# Allegro board F450_V10_220411.brd
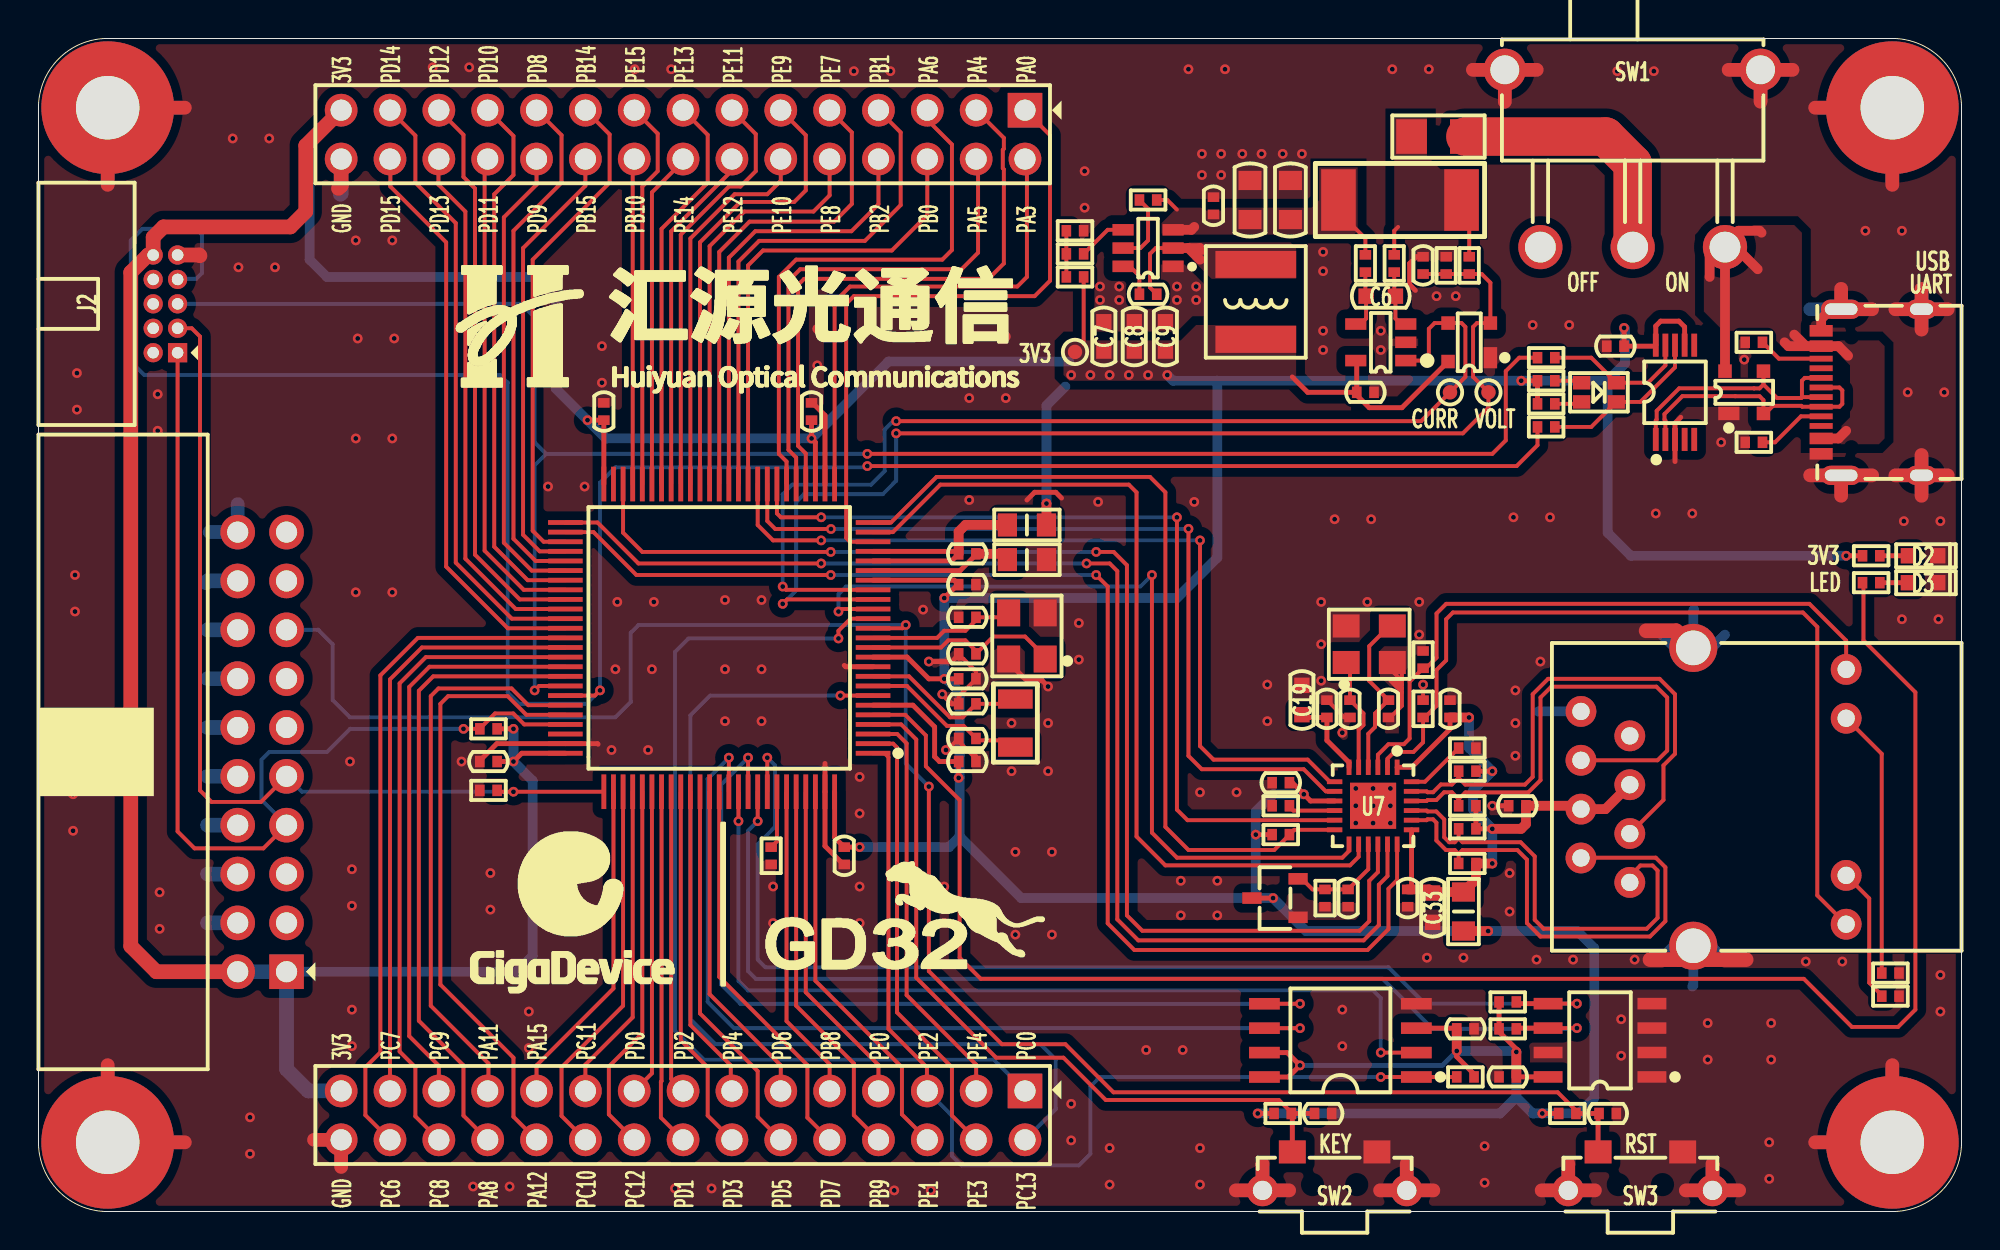
[diagram p0: board, top side]
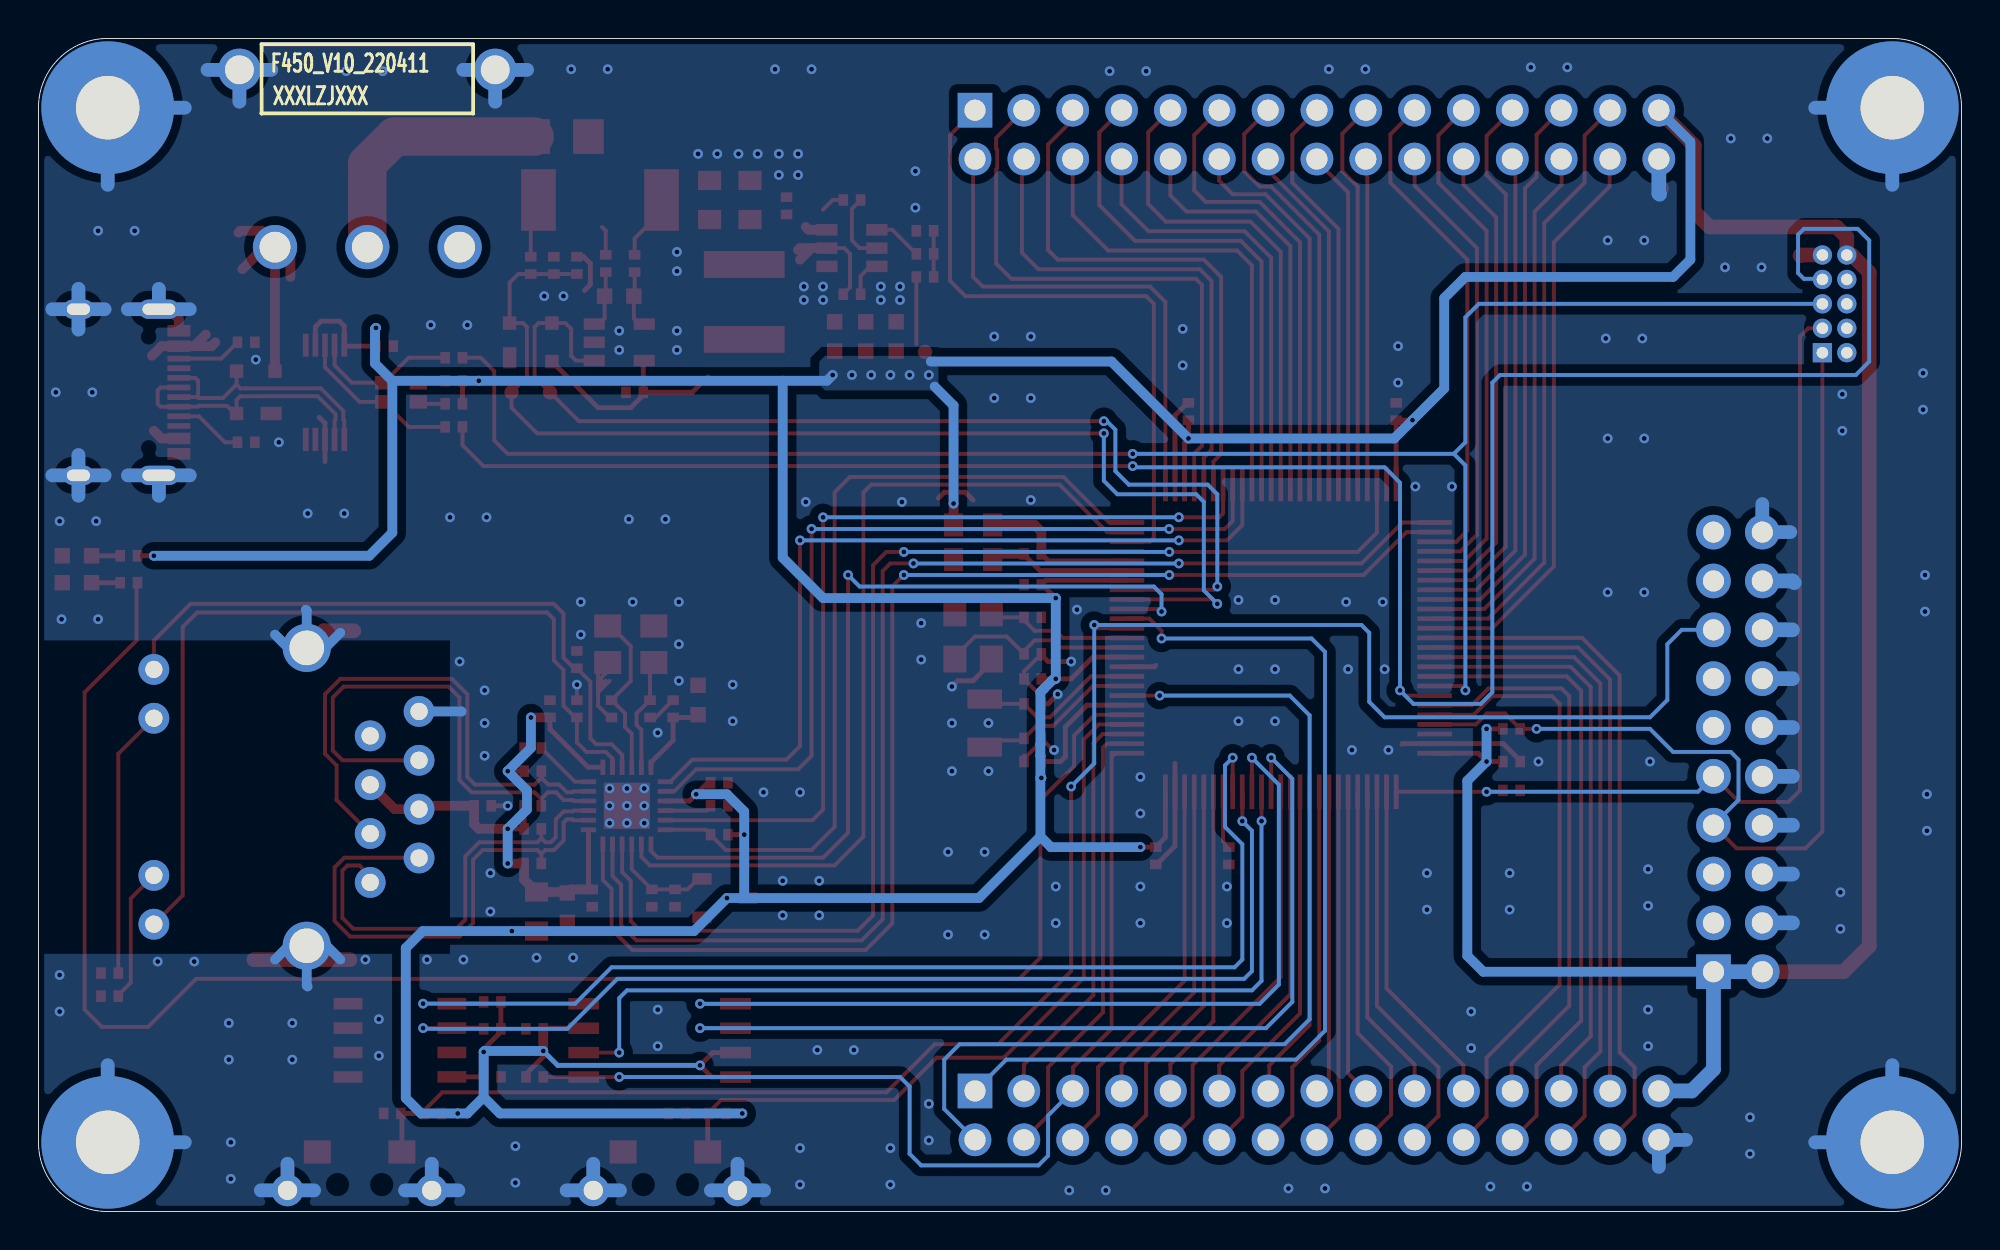
[diagram p1: board, bottom side, seen from below]

Outline 100 x 61 mm; copper layers: TOP, BOTTOM. Coordinates in mm from the lower left corner of the outline.
Outline path: 0,57.4 arc(1.05,59.95) 3.6,61 96.4,61 arc(98.95,59.95) 100,57.4 100,3.6 arc(98.95,1.05) 96.4,0 3.6,0 arc(1.05,1.05) 0,3.6 0,57.4

## Design rules (mm)
constraint set DEFAULT: min track width 0.203, pair gap 0.203
net group ETH_RX: nets ETH_RXN ETH_RXP
net group ETH_TX: nets ETH_TXN ETH_TXP
net group USB_D: nets USB_DM USB_DP

## Placement (name value [footprint] x y rotation side)
C1  10uF_25V  [C0805]  63 52.6 90 top
C2  10uF_25V  [C0805]  65.1 52.6 90 top
C3  100nF_50V  [C0402]  61.1 52.3 90 top
C4  100nF_50V  [C0402]  72 49.2 90 top
C5  100nF_50V  [C0402]  57.7 47.7 0 top
C6  10uF_10V  [C0603]  69.8 47.6 180 top
C7  10uF_10V  [C0603]  55.4 45.51 90 top
C8  10uF_10V  [C0603]  56.98 45.51 90 top
C9  10uF_10V  [C0603]  58.6 45.51 90 top
C10  100nF_50V  [C0402]  82 45 0 top
C11  100nF_50V  [C0402]  69 42.6 180 top
C12  100nF_50V  [C0402]  29.4 41.6 90 top
C13  100nF_50V  [C0402]  40.2 41.6 90 top
C14  100nF_50V  [C0402]  48.3 34.2 0 top
C15  100nF_50V  [C0402]  48.3 32.6 0 top
C16  18pF_50V  [C0402]  48.3 30.9 0 top
C17  18pF_50V  [C0402]  48.3 29 0 top
C18  100nF_50V  [C0402]  48.3 27.7 0 top
C19  10uF_10V  [C0603]  65.7 26.6 270 top
C20  12pF_50V  [C0402]  48.3 26.4 0 top
C21  100nF_50V  [C0402]  67 26.14 270 top
C22  18pF_50V  [C0402]  68.2 26.14 90 top
C23  18pF_50V  [C0402]  70.2 26.14 90 top
C24  100nF_50V  [C0402]  73.4 26.14 90 top
C25  12pF_50V  [C0402]  48.3 24.6 0 top
C26  100nF_50V  [C0402]  23.4 23.4 180 top
C27  100nF_50V  [C0402]  48.3 23.4 0 top
C28  100nF_50V  [C0402]  64.6 22.3 180 top
C29  100nF_50V  [C0402]  76.9 21.1 180 top
C30  100nF_50V  [C0402]  41.9 18.5 270 top
C31  100nF_50V  [C0402]  68.1 16.3 270 top
C32  100nF_50V  [C0402]  71.2 16.3 270 top
C33  10uF_10V  [C0603]  72.5 15.8 90 top
C34  100nF_50V  [C0402]  74.2 9.5 180 top
C35  100nF_50V  [C0402]  76.4 7 0 top
C36  100nF_50V  [C0402]  66.8 5.1 0 top
C37  100nF_50V  [C0402]  81.6 5.1 0 top
D1  -  [XL-2012SURUGC]  81.14 42.6 180 top
D2  GREEN-0603  [LED0603]  98 34.1 0 top
D3  GREEN-0603  [LED0603]  98 32.7 0 top
F1  0469005.WR  [FUSE1206]  72.8 55.9 180 top
J1  -  [CN2X15-2P54-Z]  51.3 57.27 180 top
J2  -  [DC3-10P-Z-L]  6.6 47.2 270 top
J3  -  [Z-231012820106]  12.9 23.9 90 top
J4  -  [HR911105A]  89.1 21.56 0 top
J5  -  [CN2X15-2P54-Z]  51.3 6.27 180 top
L1  SWPA5020S4R7  [L5020]  63.3 47.3 270 top
L2  BLM21PG600SN1D  [L0805]  51.4 35.7 180 top
L3  BLM21PG600SN1D  [L0805]  51.4 33.9 180 top
L4  BLM21PG600SN1D  [L0805]  74.1 15.6 90 top
MH1  HOLE_M3/NI  [HOLE6R90X3R40]  3.6 57.4 0 top
MH2  HOLE_M3/NI  [HOLE6R90X3R40]  96.4 57.4 0 top
MH3  HOLE_M3/NI  [HOLE6R90X3R40]  3.6 3.6 0 top
MH4  HOLE_M3/NI  [HOLE6R90X3R40]  96.4 3.6 0 top
NOREF  -  []  0 0 0 top
NOREF#2  -  []  0 0 0 top
NOREF#3  -  []  0 0 0 top
NOREF#4  -  []  0 0 90 top
NOREF#5  -  []  0 0 90 top
NOREF#6  -  []  0 0 90 top
R1  100K  [R0402]  57.7 52.6 180 top
R2  0R5  [R2512]  70.8 52.6 0 top
R3  10K  [R0402]  53.9 51 0 top
R4  10K  [R0402]  53.9 49.8 180 top
R5  10R  [R0402]  69 49.3 90 top
R6  10R  [R0402]  70.5 49.3 90 top
R7  100K  [R0402]  73.2 49.2 270 top
R8  100K  [R0402]  74.4 49.2 90 top
R9  31.6K  [R0402]  53.9 48.6 180 top
R10  4.7K  [R0402]  89.2 45.2 180 top
R11  1K  [R0402]  78.4 44.4 0 top
R12  4.7K  [R0402]  78.4 43.2 180 top
R13  4.7K  [R0402]  78.4 42 180 top
R14  1K  [R0402]  78.4 40.8 0 top
R15  4.7K  [R0402]  89.2 40 0 top
R16  4.7K  [R0402]  95.3 34.1 0 top
R17  4.7K  [R0402]  95.3 32.7 0 top
R18  10K  [R0402]  72 28.7 270 top
R19  10K  [R0402]  72 26.14 270 top
R20  10K  [R0402]  23.4 25.1 180 top
R21  12.1K  [R0402]  74.3 24.1 180 top
R22  49R9  [R0402]  74.3 22.9 180 top
R23  10K  [R0402]  23.4 21.9 0 top
R24  10K  [R0402]  64.6 21.1 180 top
R25  49R9  [R0402]  74.3 21.1 180 top
R26  49R9  [R0402]  74.3 19.9 180 top
R27  10K  [R0402]  64.6 19.6 180 top
R28  10K  [R0402]  38.1 18.5 90 top
R29  49R9  [R0402]  74.3 18.1 180 top
R30  100K  [R0402]  66.9 16.3 90 top
R31  510R  [R0402]  96.3 12.4 180 top
R32  510R  [R0402]  96.3 11.2 180 top
R33  4.7K  [R0402]  76.4 10.9 180 top
R34  4.7K  [R0402]  76.4 9.5 180 top
R35  10K  [R0402]  74.2 7 180 top
R36  10K  [R0402]  64.7 5.1 0 top
R37  10K  [R0402]  79.5 5.1 0 top
SW1  -  [SS-12D11G3R]  82.9 57.8 0 top
SW2  -  [K2-1112SW-A4SW-04]  67.4 1.4 180 top
SW3  -  [K2-1112SW-A4SW-04]  83.3 1.4 180 top
TP1  TP/NI  [TP-0R75]  53.9 44.7 90 top
TP2  TP/NI  [TP-0R75]  73.4 42.6 270 top
TP3  TP/NI  [TP-0R75]  75.4 42.6 270 top
U1  BL8032CB6TR  [SOT23-6]  57.7 50.1 90 top
U2  INA193AIDBV  [SOT23-5]  69.8 45.2 90 top
U3  PRTR5V0U2X  [SOT143B]  74.4 45.2 90 top
U4  CH340E  [MSOP10]  85.1 42.6 0 top
U5  PRTR5V0U2X  [SOT143B]  88.7 42.6 0 top
U6  GD32F450VET6  [LQFP100-14X14X0R5]  35.4 29.83 90 top
U7  LAN8720A  [QFN24-4X4X0R5-2R4X2R4]  69.4 21.1 180 top
U8  MAX809SN293D3T1G  [SOT23-3]  64.3 16.3 0 top
U9  W25Q128JVSIQ  [SOIC8_208]  67.7 8.9 90 top
U10  AT24C02C  [SOIC8]  81.2 8.9 90 top
USB1  -  [TYPE-C-31-M-12]  92.7 42.6 90 top
X1  DSX321G-8M  [X-4P-3R2X2R5-SMD]  51.4 29.93 90 top
X2  X322525MSB4SI  [X-4P-3R2X2R5-SMD]  69.2 29.5 0 top
X3  Q13FC1350000400  [X-2P-3R2X1R5-SMD]  50.8 25.4 270 top

## Library data of the parts
C1 C2 C4 C6 C16 C17 C21-C24 C28 C31 C32 C34 C35 = CAP NP_3
C3 C5 C7-C9 C19 C20 C25 C33 C36 C37 = CAP NP
C10-C15 C18 C26 C27 C29 C30 = CAP NP_2
D1 = XL-2012SURUGC
D2 D3 = LED_4
F1 = FUSE
J1 J5 = CONN RCPT 15x2
J2 = DC3-10P-Z-L
J3 = CON20_0
J4 = CON_RJ45_1X8_F_RA_0
L1 = INDUCTOR_0
L2-L4 = IND_BEAD_0805_600OHM_1
MH1-MH4 = Hold_1
R1-R37 = R_Generic
SW1 = SWITCH_3P
SW2 SW3 = SWITCH-SPST-4P
TP1-TP3 = TestPoint
U1 = BL8032CB6TR
U2 = 74AHC1G08_1
U3 U5 = PRTR5V0U2X
U4 = CH340E
U6 = GD32F450VET6
U7 = LAN87420AI-CZ
U8 = MAX809_0
U9 = CEIT_C5000_0
U10 = MB85RC64PNF-G-JNERE1
USB1 = TYPE-C_0
X1 X2 = TSX-3225
X3 = XTAL_5032_0

## Footprints (pads in the part's own frame, mm; a bottom-side part is the same pattern mirrored in y, then rotated)
C0402
  rect 0.5x0.6 smd: 1(-0.45,0) 2(0.45,0)
C0603
  rect 0.8x0.8 smd: 1(-0.762,0) 2(0.762,0)
C0805
  rect 1x1.2 smd: 1(-1.016,0) 2(1.016,0)
CN2X15-2P54-Z
  rect 1.8x1.8 hole 1.1: 1(0,0)
  round 1.7 hole 1.1: 2(0,2.54) 3(2.54,0) 4(2.54,2.54) 5(5.08,0) 6(5.08,2.54) 7(7.62,0) 8(7.62,2.54) 9(10.16,0) 10(10.16,2.54) 11(12.7,0) 12(12.7,2.54) 13(15.24,0) 14(15.24,2.54) 15(17.78,0) 16(17.78,2.54) 17(20.32,0) 18(20.32,2.54) 19(22.86,0) 20(22.86,2.54) 21(25.4,0) 22(25.4,2.54) 23(27.94,0) 24(27.94,2.54) 25(30.48,0) 26(30.48,2.54) 27(33.02,0) 28(33.02,2.54) 29(35.56,0) 30(35.56,2.54)
DC3-10P-Z-L
  rect 1x1 hole 0.6: 1(2.54,0.635)
  round 1 hole 0.6: 2(2.54,-0.635) 3(1.27,0.635) 4(1.27,-0.635) 5(0,0.635) 6(0,-0.635) 7(-1.27,0.635) 8(-1.27,-0.635) 9(-2.54,0.635) 10(-2.54,-0.635)
FUSE1206
  rect 1.6x1.8 smd: 1(-1.4,0) 2(1.4,0)
HOLE6R90X3R40
  round 6.9 hole 3.3: 1(0,0)
HR911105A
  round 1.6 hole 0.9: 1(-6.35,-4.45) 2(-8.89,-3.18) 3(-6.35,-1.91) 4(-8.89,-0.64) 5(-6.35,0.63) 6(-8.89,1.9) 7(-6.35,3.17) 8(-8.89,4.44) 9(4.9,-6.625) 10(4.9,-4.085) 11(4.9,4.085) 12(4.9,6.625)
  round 2.5 hole 1.8: 13(-3.05,-7.745) 14(-3.05,7.745)
K2-1112SW-A4SW-04
  round 1.65 hole 1: 1(-3.75,0.3) 4(3.75,0.3)
  rect 1.4x1.2 smd: 2(-2.2,-1.7) 3(2.2,-1.7)
L0805
  rect 1x1.2 smd: 1(-1.016,0) 2(1.016,0)
L5020
  rect 1.4x4.2 smd: 1(-1.95,0) 2(1.95,0)
LED0603
  rect 0.8x0.8 smd: 1(-0.762,0) 2(0.762,0)
LQFP100-14X14X0R5
  rect 0.25x1.8 smd: 1(-6,-8) 2(-5.5,-8) 3(-5,-8) 4(-4.5,-8) 5(-4,-8) 6(-3.5,-8) 7(-3,-8) 8(-2.5,-8) 9(-2,-8) 10(-1.5,-8) 11(-1,-8) 12(-0.5,-8) 13(0,-8) 14(0.5,-8) 15(1,-8) 16(1.5,-8) 17(2,-8) 18(2.5,-8) 19(3,-8) 20(3.5,-8) 21(4,-8) 22(4.5,-8) 23(5,-8) 24(5.5,-8) 25(6,-8) 51(6,8) 52(5.5,8) 53(5,8) 54(4.5,8) 55(4,8) 56(3.5,8) 57(3,8) 58(2.5,8) 59(2,8) 60(1.5,8) 61(1,8) 62(0.5,8) 63(0,8) 64(-0.5,8) 65(-1,8) 66(-1.5,8) 67(-2,8) 68(-2.5,8) 69(-3,8) 70(-3.5,8) 71(-4,8) 72(-4.5,8) 73(-5,8) 74(-5.5,8) 75(-6,8)
  rect 1.8x0.25 smd: 26(8,-6) 27(8,-5.5) 28(8,-5) 29(8,-4.5) 30(8,-4) 31(8,-3.5) 32(8,-3) 33(8,-2.5) 34(8,-2) 35(8,-1.5) 36(8,-1) 37(8,-0.5) 38(8,0) 39(8,0.5) 40(8,1) 41(8,1.5) 42(8,2) 43(8,2.5) 44(8,3) 45(8,3.5) 46(8,4) 47(8,4.5) 48(8,5) 49(8,5.5) 50(8,6) 76(-8,6) 77(-8,5.5) 78(-8,5) 79(-8,4.5) 80(-8,4) 81(-8,3.5) 82(-8,3) 83(-8,2.5) 84(-8,2) 85(-8,1.5) 86(-8,1) 87(-8,0.5) 88(-8,0) 89(-8,-0.5) 90(-8,-1) 91(-8,-1.5) 92(-8,-2) 93(-8,-2.5) 94(-8,-3) 95(-8,-3.5) 96(-8,-4) 97(-8,-4.5) 98(-8,-5) 99(-8,-5.5) 100(-8,-6)
MSOP10
  rect 0.3x1.2 smd: 1(-1,-2.45) 2(-0.5,-2.45) 3(0,-2.45) 4(0.5,-2.45) 5(1,-2.45) 6(1,2.45) 7(0.5,2.45) 8(0,2.45) 9(-0.5,2.45) 10(-1,2.45)
QFN24-4X4X0R5-2R4X2R4
  rect 0.25x0.8 smd: 1(-1.25,-2) 2(-0.75,-2) 3(-0.25,-2) 4(0.25,-2) 5(0.75,-2) 6(1.25,-2) 13(1.25,2) 14(0.75,2) 15(0.25,2) 16(-0.25,2) 17(-0.75,2) 18(-1.25,2)
  rect 0.8x0.25 smd: 7(2,-1.25) 8(2,-0.75) 9(2,-0.25) 10(2,0.25) 11(2,0.75) 12(2,1.25) 19(-2,1.25) 20(-2,0.75) 21(-2,0.25) 22(-2,-0.25) 23(-2,-0.75) 24(-2,-1.25)
  rect 2.4x2.4 smd: 25(0,0)
R0402
  rect 0.5x0.6 smd: 1(-0.45,0) 2(0.45,0)
R2512
  rect 1.8x3.2 smd: 1(-3.2,0) 2(3.2,0)
SOIC8
  rect 0.6x1.5 smd: 1(-1.9,-2.7) 2(-0.63,-2.7) 3(0.64,-2.7) 4(1.91,-2.7) 5(1.91,2.7) 6(0.64,2.7) 7(-0.63,2.7) 8(-1.9,2.7)
SOIC8_208
  rect 0.6x1.6 smd: 1(-1.905,-3.95) 2(-0.635,-3.95) 3(0.635,-3.95) 4(1.905,-3.95) 5(1.905,3.95) 6(0.635,3.95) 7(-0.635,3.95) 8(-1.905,3.95)
SOT23-3
  rect 1x0.6 smd: 1(1.2,-1) 2(1.2,1) 3(-1.2,0)
SOT23-5
  rect 0.6x1.1 smd: 1(-0.95,-1.3) 2(0,-1.3) 3(0.95,-1.3) 4(0.95,1.3) 5(-0.95,1.3)
SOT23-6
  rect 0.6x1.1 smd: 1(-0.95,-1.3) 2(0,-1.3) 3(0.95,-1.3) 4(0.95,1.3) 5(0,1.3) 6(-0.95,1.3)
SOT143B
  rect 1.1x0.7 smd: 1(-0.8,-1.1)
  rect 0.7x0.7 smd: 2(1,-1.1) 3(1,1.1) 4(-1,1.1)
SS-12D11G3R
  round 2.2 hole 1.5: 1(-6.65,1.57) 5(6.65,1.57)
  round 2.3 hole 1.6: 2(-4.8,-7.65) 3(0,-7.65) 4(4.8,-7.65)
TP-0R75
  round 0.75 smd: 1(0,0)
TYPE-C-31-M-12
  rect 0.6x1.2 smd: 1(-3.2,0) 2(-2.4,0) 11(2.4,0) 12(3.2,0)
  rect 0.3x1.2 smd: 3(-1.75,0) 4(-1.25,0) 5(-0.75,0) 6(-0.25,0) 7(0.25,0) 8(0.75,0) 9(1.25,0) 10(1.75,0)
  oval 1x2.1 hole 0.6x1.7: 13(-4.32,-1.04) 14(4.32,-1.04)
  oval 1x1.6 hole 0.6x1.2: 15(-4.32,-5.22) 16(4.32,-5.22)
X-2P-3R2X1R5-SMD
  rect 1x1.8 smd: 1(-1.25,0) 2(1.25,0)
X-4P-3R2X2R5-SMD
  rect 1.4x1.2 smd: 1(-1.2,-0.95) 2(1.2,-0.95) 3(1.2,0.95) 4(-1.2,0.95)
XL-2012SURUGC
  rect 0.9x0.7 smd: 1(-0.9,0.5) 2(0.9,0.5) 3(-0.9,-0.5) 4(0.9,-0.5)
Z-231012820106
  rect 1.8x1.8 hole 1.1: 1(-11.43,0)
  round 1.8 hole 1.1: 2(-11.43,2.54) 3(-8.89,0) 4(-8.89,2.54) 5(-6.35,0) 6(-6.35,2.54) 7(-3.81,0) 8(-3.81,2.54) 9(-1.27,0) 10(-1.27,2.54) 11(1.27,0) 12(1.27,2.54) 13(3.81,0) 14(3.81,2.54) 15(6.35,0) 16(6.35,2.54) 17(8.89,0) 18(8.89,2.54) 19(11.43,0) 20(11.43,2.54)

## Nets
GND: C1.2 C2.2 C3.2 C4.2 C7.2 C8.2 C9.2 C10.1 C11.1 C12.2 C13.2 C15.2 C16.1 C17.1 C18.2 C19.1 C20.1 C21.1 C22.1 C23.1 C24.2 C25.1 C26.2 C27.2 C28.2 C29.2 C30.2 C31.2 C32.2 C33.1 C34.1 C35.1 C36.2 C37.2 D2.2(CATHODE) D3.2(CATHODE) J1.30 J2.9 J3.4 J3.6 J3.8 J3.10 J3.12 J3.14 J3.16 J3.18 J3.20 J4.8 J4.13 J4.14 J5.30 L3.1 MH1.1 MH2.1 MH3.1 MH4.1 R3.2 R7.1 R10.2 R15.1 R18.1 R19.1 R21.1 R23.1 R24.2 R28.1 R30.1 R31.1 R32.1 SW1.1 SW1.5 SW2.1 SW2.2 SW2.4 SW3.1 SW3.2 SW3.4 U1.1 U2.2 U3.1 U4.3 U5.1 U6.10 U6.27 U6.74 U6.99(VSS_4) U7.25 U8.1 U9.4 U10.1 U10.2 U10.3 U10.4 U10.7(WP) USB1.1 USB1.12 USB1.13 USB1.14 USB1.15 USB1.16 X1.2 X1.4 X2.2 X2.4
VCC_3.3V: C7.1 C8.1 C9.1 C10.2 C11.2 C12.1 C13.1 C15.1 C18.1 C26.1 C27.1 C28.1 C30.1 C34.2 C35.2 J1.29 J2.10 J3.1 J3.2 J5.29 L1.2 L2.1 L4.1 R9.1 R12.2 R13.2 R16.1 R20.1 R27.2 R33.2 R34.2 R35.1 R36.1 R37.1 TP1.1 U2.5 U3.4 U4.7(VCC) U4.10 U6.6 U6.11 U6.19 U6.28 U6.50 U6.75 U6.100 U7.9 U8.3(VCC) U9.3(W\P\) U9.7 U9.8 U10.8
VCC_3.3V_PHY: C24.1 C29.1 C32.1 C33.2 J4.4 J4.5 L4.2(B) R22.1 R25.1 R26.1 R29.1 U7.1 U7.19
VCC_3.3V_VDDA: C14.1 L2.2(B) U6.21 U6.22
VCC_5V: C1.1 C2.1 C3.1 R1.1 R2.1 R5.2 U1.3(VIN)
VCC_5V_USB: SW1.4 U5.4 USB1.2 USB1.11(VBUS2)
VSSA: C14.2 L3.2(B) U6.20
BOOT0: R28.2 U6.94
CH340E_RXD: D1.3 R11.2 U4.9
CH340E_TXD: D1.1(R-) R14.2 U4.8
ETH_LED1: J4.12 R18.2 U7.3
ETH_LED2: J4.9 R19.2 U7.2
ETH_RXN: J4.6 R25.2 U7.22
ETH_RXP: J4.3 R22.2 U7.23
ETH_TXN: J4.2 R29.2 U7.20
ETH_TXP: J4.1(TXP1) R26.2 U7.21
LAN8742_RST: C31.1 R30.2 U7.15 U8.2
NRST: C37.1 J3.15 R37.2 SW3.3 U6.14
OSC32_IN: C25.2 U6.8 X3.2
OSC32_OUT: C20.2 U6.9 X3.1
OSC_IN: C17.2 U6.12 X1.1
OSC_OUT: C16.2 U6.13 X1.3(OUT2)
PA0: J1.1 U6.23
PA1/ETH_REF_CLK: U6.24 U7.14
PA2/ETH_MDIO: R27.1 U6.25 U7.12
PA3: J1.2 U6.26
PA4: J1.3 U6.29
PA5: J1.4 U6.30
PA6: J1.5 U6.31
PA7/ETH_CRS_DV: U6.32 U7.11
PA8: J5.24 U6.67
PA9/USART0_TX: J2.5 R11.1 U6.68
PA10/USART0_RX: J2.7 R14.1 U6.69
PA11: J5.23 U6.70
PA12: J5.22 U6.71
PA15: J5.21 U6.77
PB0: J1.6 U6.35
PB1: J1.7 U6.36
PB2: J1.8 U6.37
PB3/SPI0_SCK: U6.89 U9.6
PB4/SPI0_MISO: U6.90 U9.2
PB5/SPI0_MOSI: U6.91 U9.5
PB6/I2C0_SCL: R34.1 U6.92 U10.6
PB7/I2C0_SDA: R33.1 U6.93 U10.5
PB8: J5.9 U6.95
PB9: J5.8 U6.96
PB10: J1.18 U6.47
PB11/ETH_TX_EN: U6.48 U7.16
PB12/ETH_TXD0: U6.51 U7.17
PB13/ETH_TXD1: U6.52 U7.18
PB14: J1.19 U6.53
PB15: J1.20 U6.54
PC0: J5.1 U6.15
PC1/ETH_MDC: U6.16 U7.13
PC2/ADC_VOLT: C4.1 R7.2 R8.1 TP3.1 U3.2 U6.17
PC3/ADC_CURR: TP2.1 U2.1 U3.3 U6.18
PC4/ETH_RXD0: U6.33 U7.8
PC5/ETH_RXD1: U6.34 U7.7
PC6: J5.28 U6.63
PC7: J5.27 U6.64
PC8: J5.26 U6.65
PC9: J5.25 U6.66
PC10: J5.20 U6.78
PC11: J5.19 U6.79
PC12: J5.18 U6.80
PC13: J5.2 U6.7
PD0: J5.17(9) U6.81
PD1: J5.16 U6.82
PD2: J5.15 U6.83
PD3: J5.14 U6.84
PD4: J5.13 U6.85
PD5: J5.12 U6.86
PD6: J5.11 U6.87
PD7: J5.10 U6.88
PD8: J1.21 U6.55
PD9: J1.22 U6.56
PD10: J1.23 U6.57
PD11: J1.24 U6.58
PD12: J1.25 U6.59
PD13: J1.26 U6.60
PD14: J1.27 U6.61
PD15: J1.28 U6.62
PE0: J5.7 U6.97
PE1: J5.6 U6.98
PE2/SPI0_CS: J5.5 R35.2 U6.1 U9.1
PE3: J5.4 U6.2
PE4: J5.3 U6.3
PE5/KEY: C36.1 R36.2 SW2.3 U6.4
PE6/LED: R17.1 U6.5
PE7: J1.9 U6.38
PE8: J1.10 U6.39
PE9: J1.11 U6.40
PE10: J1.12 U6.41
PE11: J1.13 U6.42
PE12: J1.14 U6.43
PE13: J1.15 U6.44
PE14: J1.16 U6.45
PE15: J1.17(9) U6.46
SWCLK: J2.3 J3.9 R23.2 U6.76
SWDIO: J2.1 J3.7 R20.2 U6.72
USB_DM: U4.2 U5.2 USB1.5 USB1.7
USB_DP: U4.1 U5.3 USB1.6 USB1.8
XTAL1: C22.2 U7.5 X2.1
XTAL2: C23.2 U7.4(XTAL2) X2.3(OUT2)
N17256486: D2.1 R16.2
N17256513: R10.1 USB1.10
N17256515: R15.2 USB1.4
N17279585: D1.2 R13.1
N17279608: D1.4 R12.1
N17297093: R21.2 U7.24
N17297258: C19.2 C21.2 U7.6
N17297314: R24.1 U7.10
N17301183: C6.1 R6.1 U2.3
N17301187: C6.2 R5.1 U2.4(VIN-)
N17301241: F1.1 SW1.3
N17301284: F1.2 R2.2 R6.2 R8.2
N17302949: J4.10 R32.2
N17303000: J4.11 R31.2
N17310302: C5.2 L1.1 U1.2
N17310360: C5.1 U1.6
N17310430: R1.2 U1.5
N17310442: R3.1 R4.2 R9.2
N17310458: R4.1 U1.4
N17339844: D3.1 R17.2

Pads without a net: J2 2 4 6 8; J3 3 5 11 13 17 19; J4 7; SW1 2; U4 4 5 6; U6 49 73; USB1 3 9

## Via types
v1: diameter 0.508, hole 0.254, TOP to BOTTOM, 277 vias
